# Altium PCB 2309_AutomatisationPriseImageRTI.PcbDoc (part 2 of 2)
Units mil, origin at the board's own origin, x right, y up, seen from the top; angles counter-clockwise.
Board outline 6062.99 x 3543.31 mil, 2 copper layers (Top Layer, Bottom Layer), stack 62.441 mil thick; 143 components, 115 nets, 461 pads, 570 vias.
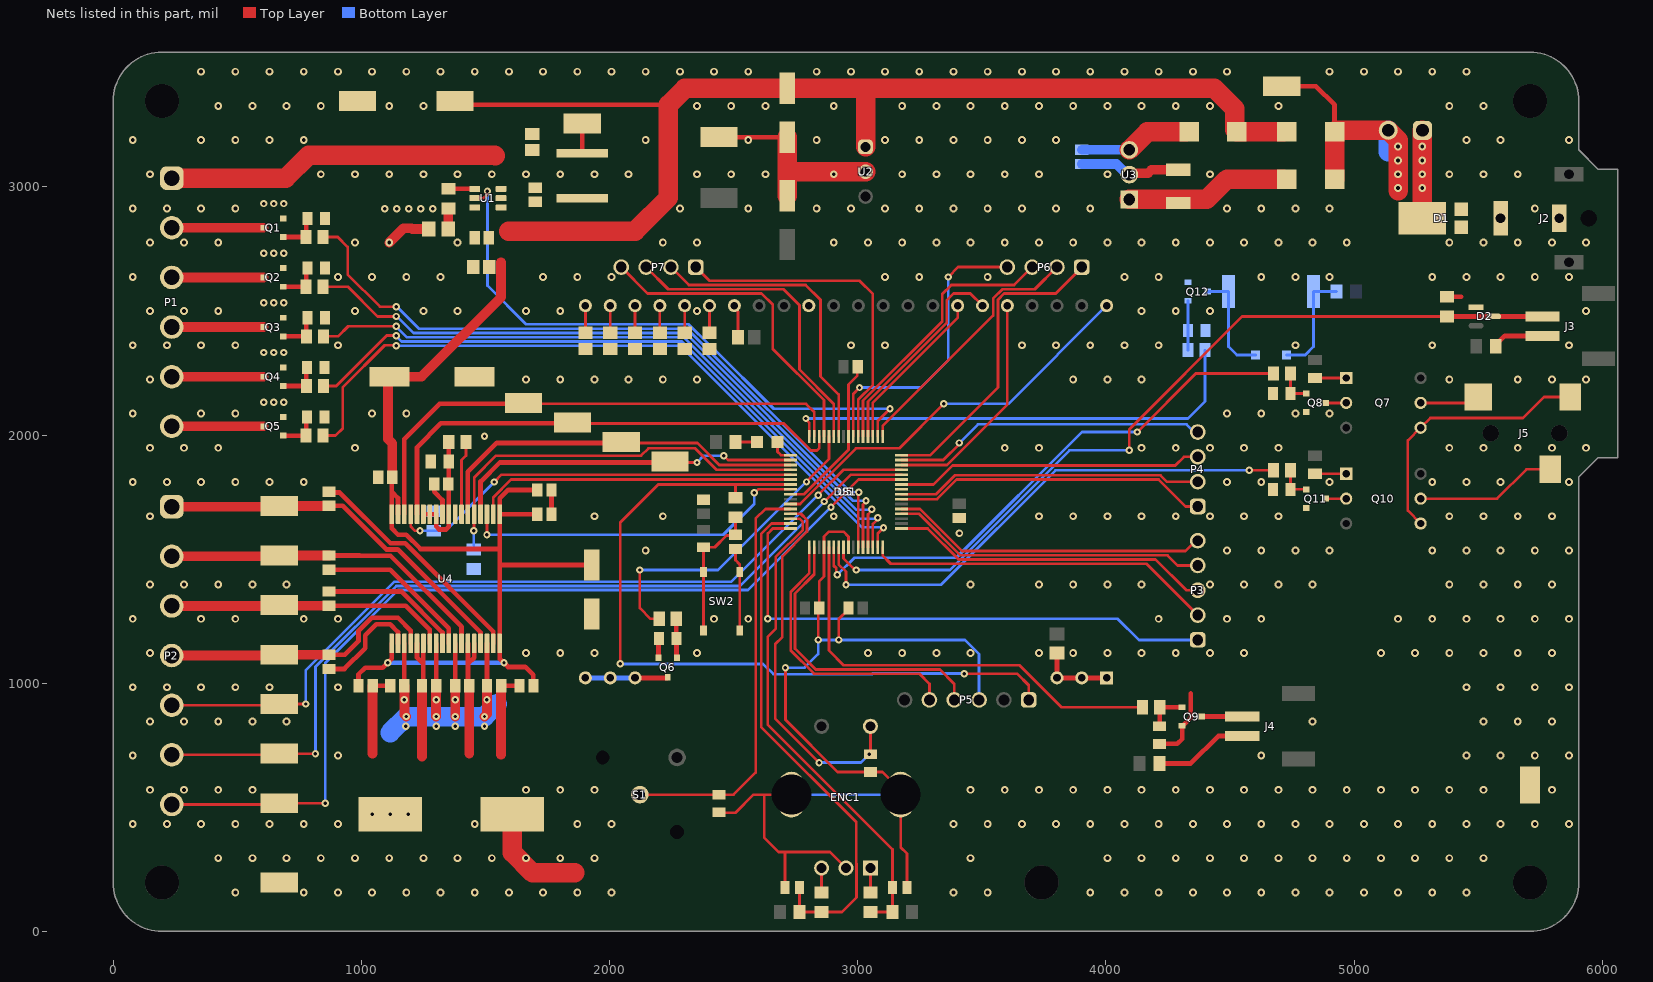
[diagram p2: the nets of this part, all layers, seen from the top]

## Via types
v1: diameter 31.5, hole 15.75, Top Layer to Bottom Layer, 470 vias
v2: diameter 29.53, hole 13.78, Top Layer to Bottom Layer, 100 vias

## Nets (pads, with @x,y where several pads share a name; then routed paths per layer and width w, separated by ;. In a path a pad name is that pad's centre, name@x,y a point inside that pad or via, vN(x,y) a via of type N, cw(c..) or ccw(c..) an arc to the next point about the centre after c; other vN are vias at no path point) (continued)
+12V: C1.1 C2.1 C5.2 C10.2 C11.1 C12.1 C13.1 C14.1 C24.1 C25.2 SB2.2 SB3.1 TP4.1 U1.4 U2.1 U4.1 U4.17 U4.18 U4.19 U4.36 | length 8996.6
  Top Layer w18.9: C14.1@988.19,990.16 988.19,1035.43 1015.75,1062.99 1086.61,1062.99 1122.05,1098.43 U4.19@1122.05,1160.63 ; C13.1@1124.56,1830.71 1122.05,1828.19 1122.05,1772.11 ; U4.17@1147.64,1681.1 1147.64,1746.52 1122.05,1772.11 ; TP4.1@1377.95,3346.46 1393.65,3330.76 2236.57,3330.76 2238.72,3332.91 ; v2(1574.8,1082.32) 1591.19,1065.9 1660.29,1065.9 1692.06,1034.13 1692.06,992.02 C11.1@1693.93,990.16 ; v2(1574.8,1082.32) 1573.07,1082.32 1557.09,1098.3 1557.09,1477.4 ; C24.1@1708.66,1681.1 U4.1@1557.09,1681.1 ; C12.1@1708.66,1779.15 1591.31,1779.15 1557.09,1744.93 U4.1@1557.09,1681.1 ; C25.2@1927.57,1476.32 1558.17,1476.32 1557.09,1477.4 ; 1122.05,1772.11 U4.18@1122.05,1681.1 1122.05,1624.02 1147.64,1598.43 1181.1,1598.43 1238.25,1541.28 1557.09,1541.28 ; 1557.09,1477.4 1557.09,1541.28 ; 1557.09,1541.28 U4.1@1557.09,1681.1
  Top Layer w39.37: C13.1@1124.56,1830.71 1124.56,1966.77 1107.09,1984.25 1107.09,2228.35 C10.2@1114.17,2235.43 1243.11,2235.43 1562.99,2555.32 1562.99,2696.85
  Top Layer w78.74: 1594.49,2822.05 2102.76,2822.05 2236.57,2955.87 2236.57,3330.76 ; 2238.72,3332.91 2303.45,3397.64 3031.5,3397.64 ; U2.1@3031.5,3161.42 3031.5,3397.64 ; SB2.2@4715.51,3222.05 SB3.1@4527.56,3222.05 4519.69,3229.92 4519.69,3314.96 4437.01,3397.64 3031.5,3397.64
  Bottom Layer w18.9: v2(1106.23,1082.32) v2(1574.8,1082.32)
+24V: C7.1 SB1.2 U3.1 | length 654.9
  Top Layer w78.74: U3.1@4094.49,2949.61 4406.3,2949.61 4488.19,3031.5 SB1.2@4715.51,3031.5
AGND: C18.2 R2.2 R3.2 U4.9 U4.11 U4.12 U4.13 | length 502.3
  Top Layer w18.9: U4.13@1250,1681.1 U4.12@1275.59,1681.1 U4.11@1301.18,1681.1 1301.18,1631.89 1312.99,1620.08 1341.29,1620.08 1352.36,1631.15 U4.9@1352.36,1681.1 R2.2@1352.36,1893.7 R3.2@1352.36,1972.44
CHANNEL_A: C33.1 R16.2 R18.1 U5.14 | length 1981.7
  Top Layer w11.02: U5.14@2729.38,1663.37 2766.12,1663.37 2778.97,1650.53 2778.97,1618.2 2669.29,1508.52 2669.29,1219.29 2637.8,1187.79 2637.8,832.78 3139.76,330.81 C33.1@3139.76,177.17 R16.2@3139.76,78.74 R18.1@3051.18,78.74
CHANNEL_B: C34.1 R17.2 R19.1 U5.15 | length 2110.4
  Top Layer w11.02: U5.15@2729.37,1643.7 2653.35,1643.7 2610.98,1601.33 2610.98,1232.79 2610.98,824.7 2993.96,441.72 2993.96,274.05 2994.72,273.29 2994.72,137.52 2935.94,78.74 R19.1@2854.33,78.74 R17.2@2765.75,78.74 C34.1@2765.75,177.17
FAULT: U4.3 U5.8 | length 1408.3
  Top Layer w11.02: v2(1505.91,1598.43) U4.3@1505.91,1681.1 ; v2(2582.95,1768.24) 2585.4,1768.24 2598.65,1781.5 U5.8@2729.37,1781.5
  Bottom Layer w11.02: v2(1505.91,1598.43) 2458.07,1598.43 2582.95,1723.3 v2(2582.95,1768.24)
FOCUS_CMD: R33.1 U5.23 | length 2076.1
  Top Layer w11.02: U5.23@2923.23,1548.26 2923.23,1479.3 2952.76,1449.78 v2(2952.76,1397.64) ; v2(4577.76,1858.27) R33.1@4675.2,1858.27
  Bottom Layer w11.02: v2(2952.76,1397.64) 3336.6,1397.64 3797.23,1858.27 v2(4577.76,1858.27)
GND: C1.2 C2.2 C4.2 C5.1 C6.1 C7.2 C8.2 C10.1 C11.2 C12.2 C13.2 C14.2 C19.2 C20.2 C21.2 C22.2 C23.2 C24.2 C25.1 C26.2 C27.2 C28.2 C29.2 C30.2 C31.2 C32.2 C33.2 C34.2 C35.2 C36.2 C37.2 C38.2 C39.2 C40.2 D2.1 DS1.29 DS1.32 ENC1.3 ENC1.4 ENC1.C J2.2 P5.3 Q6.2 Q8.2 Q9.2 Q11.2 Q12.2 R1.1 R2.1 R4.1 R5.1 R9.1 R10.1 R11.1 R14.1 R15.1 R20.1 R23.1 R24.1 R29.1 R31.1 R34.1 R36.1 R41.2 SW2.1 SW2.2 TP2.1 TP6.1 TP7.1 TP8.1 U1.3 U2.2 U3.2 U4.8 U4.23 U4.24 U4.31 U4.32 U5.9 U5.20 U5.25 U5.41 U5.56 | length 9819.6
  Top Layer w11.02: R23.1@2440.94,480.32 2442.74,478.52 2508.05,478.52 2580.71,551.18 2623.7,551.18 ; DS1.29@2502.76,2512.52 2517.65,2497.62 C32.2@2517.65,2394.6 ; C35.2@2507.87,1541.28 2507.87,1496.06 2524.61,1479.33 SW2.1@2524.61,1448.82 SW2.2@2524.61,1212.6 ; C34.2@2706.69,177.17 2706.69,320.05 ; v2(2708.66,1062.99) 2708.66,853.1 2918.96,642.8 R20.1@3051.18,642.8 3099.39,642.8 3173.23,568.97 ENC1.3@3173.23,551.18 3173.23,339.14 3198.82,313.55 C33.2@3198.82,177.17 ; U5.9@2729.37,1761.81 2783.35,1761.81 2962.6,1941.06 U5.56@2962.6,1995.04 2962.6,2203.62 2997.8,2238.82 2997.8,2273.33 C40.2@3000.06,2275.59 ; ENC1.4@2732.28,551.18 2623.7,551.18 ; v2(2840.66,1174.8) 2840.66,1299.32 C36.2@2844.49,1303.15 2844.49,1411.04 2864.17,1430.73 U5.20@2864.17,1548.26 2864.17,1591.49 2883.86,1611.17 2942.1,1611.17 2962.59,1590.68 U5.25@2962.6,1548.26 ; v2(2923.62,1174.8) 2923.62,1258.3 2962.54,1297.21 C38.2@2962.54,1303.15 ; ENC1.C@2952.76,255.91 2888.61,320.05 2706.69,320.05 ; 2623.7,551.18 2623.7,377.27 2680.91,320.05 2706.69,320.05
  Top Layer w18.9: C14.2@1045.34,990.16 C23.2@1116.08,990.16 ; U4.23@1224.41,1160.63 1224.41,1103.18 1249.61,1077.98 ; C22.2@1244.03,990.16 1249.61,995.73 1249.61,1077.98 ; U4.24@1250,1160.63 1249.61,1160.24 1249.61,1077.98 ; U4.31@1429.13,1160.63 1429.53,1160.24 1429.53,1077.98 ; C21.2@1435.1,990.16 1429.53,995.73 1429.53,1077.98 ; U4.32@1454.72,1160.63 1454.72,1103.18 1429.53,1077.98 ; C20.2@1563.05,990.16 C11.2@1636.78,990.16 ; C24.2@1765.81,1681.1 C12.2@1765.81,1779.15 ; Q6.2@2197.24,1103.18 2197.24,1179.13 R24.1@2199.21,1181.1 ; TP8.1@2440.94,3200.79 C5.1@2716.54,3200.79 ; DS1.29@2502.76,2512.52 DS1.29@2502.76,2521.65 ; 2695.28,3061.42 2716.54,3082.68 ; R34.1@4216.54,755.91 4287.4,755.91 4307.09,775.59 Q9.2@4307.09,828.74 4309.06,828.74 4342.52,862.2 4342.52,958.66 ; R41.2@5374.02,2557.09 5431.36,2557.09 ; D2.1@5472.7,2515.75 D2.1@5491.32,2515.75
  Top Layer w39.37: 1045.34,716.54 C14.2@1045.34,990.16 ; v1(1112.21,2775.59) 1170.11,2833.5 1202.72,2833.5 1205.51,2830.71 R1.1@1271.65,2830.71 ; 1244.03,704.91 C22.2@1244.03,990.16 ; 1435.1,716.54 C21.2@1435.1,990.16 ; 1563.05,711.81 C20.2@1563.05,990.16 ; U3.2@4094.49,3049.61 4100.51,3055.63 4169.8,3055.63 4183.07,3068.9 C7.2@4291.34,3068.9
  Top Layer w78.74: C19.2@1608.21,472.44 1608.21,317.84 1689.82,236.22 1860.24,236.22 ; C6.1@2716.54,2964.57 2716.54,3082.68 ; C5.1@2716.54,3200.79 2716.54,3082.68 ; U2.2@3031.5,3061.42 2737.8,3061.42 2716.54,3082.68
  Bottom Layer w11.02: v2(2708.66,1062.99) 2786.33,1062.99 2840.66,1117.32 v2(2840.66,1174.8) v2(2923.62,1174.8) 3431.5,1174.8 3488.98,1117.32 P5.3@3488.98,933.07 ; ENC1.4@2732.28,551.18 ENC1.3@3173.23,551.18
  Bottom Layer w39.37: C8.2@3902.76,3092.46 4043.11,3092.46 4085.97,3049.61 U3.2@4094.49,3049.61
  other v1: 492.13,157.48 767.72,157.48 905.51,157.48 1043.31,157.48 1181.1,157.48 1318.9,157.48 1456.69,157.48 1594.49,157.48 1732.29,157.48 1870.08,157.48 2007.88,157.48 3385.83,157.48 3523.62,157.48 3937.01,157.48 4074.81,157.48 4212.6,157.48 4350.4,157.48 4488.19,157.48 4625.99,157.48 4763.78,157.48 4901.58,157.48 5039.37,157.48 5177.17,157.48 5314.96,157.48 5452.76,157.48 423.23,295.28 561.03,295.28 698.82,295.28 836.62,295.28 974.41,295.28 1112.21,295.28 1250,295.28 1387.8,295.28 1525.59,295.28 1663.39,295.28 1801.18,295.28 1938.98,295.28 3454.73,295.28 4005.91,295.28 4143.7,295.28 4281.5,295.28 4419.29,295.28 4557.09,295.28 4694.88,295.28 4832.68,295.28 4970.47,295.28 5108.27,295.28 5246.07,295.28 5383.86,295.28 5521.66,295.28 78.74,433.07 216.54,433.07 354.33,433.07 492.13,433.07 629.92,433.07 767.72,433.07 905.51,433.07 1456.69,433.07 1870.08,433.07 2007.88,433.07 3385.83,433.07 3523.62,433.07 3661.42,433.07 3799.22,433.07 3937.01,433.07 4074.81,433.07 4212.6,433.07 4350.4,433.07 4488.19,433.07 4625.99,433.07 4763.78,433.07 4901.58,433.07 5039.37,433.07 5177.17,433.07 5314.96,433.07 5452.76,433.07 5590.55,433.07 5728.35,433.07 5866.14,433.07 147.64,570.87 285.43,570.87 423.23,570.87 561.03,570.87 1663.39,570.87 1801.18,570.87 1938.98,570.87 3454.73,570.87 3592.52,570.87 3730.32,570.87 3868.11,570.87 4005.91,570.87 4143.7,570.87 4281.5,570.87 4419.29,570.87 4557.09,570.87 4694.88,570.87 4832.68,570.87 4970.47,570.87 5108.27,570.87 5246.07,570.87 5383.86,570.87 5521.66,570.87 5797.25,570.87 78.74,708.66 905.51,708.66 4625.99,708.66 5452.76,708.66 5590.55,708.66 5728.35,708.66 5866.14,708.66 147.64,846.46 285.43,846.46 423.23,846.46 561.03,846.46 698.82,846.46 4832.68,846.46 5521.66,846.46 5659.45,846.46 5797.25,846.46 78.74,984.25 216.54,984.25 354.33,984.25 492.13,984.25 629.92,984.25 905.51,984.25 5452.76,984.25 5590.55,984.25 5728.35,984.25 5866.14,984.25 147.64,1122.05 1663.39,1122.05 1801.18,1122.05 1938.98,1122.05 2352.36,1122.05 3041.34,1122.05 3179.14,1122.05 3316.93,1122.05 3454.73,1122.05 3730.32,1122.05 3868.11,1122.05 4005.91,1122.05 4143.7,1122.05 4281.5,1122.05 4419.29,1122.05 4557.09,1122.05 5108.27,1122.05 5246.07,1122.05 5383.86,1122.05 5521.66,1122.05 5659.45,1122.05 5797.25,1122.05 78.74,1259.84 354.33,1259.84 492.13,1259.84 767.72,1259.84 905.51,1259.84 2421.26,1259.84 2559.06,1259.84 4212.6,1259.84 4488.19,1259.84 4625.99,1259.84 5177.17,1259.84 5314.96,1259.84 5452.76,1259.84 5590.55,1259.84 5728.35,1259.84 5866.14,1259.84 147.64,1397.64 285.43,1397.64 423.23,1397.64 561.03,1397.64 698.82,1397.64 3454.73,1397.64 3730.32,1397.64 3868.11,1397.64 4005.91,1397.64 4143.7,1397.64 4419.29,1397.64 4557.09,1397.64 4694.88,1397.64 4832.68,1397.64 5383.86,1397.64 5521.66,1397.64 5659.45,1397.64 5797.25,1397.64 2145.67,1535.44 4488.19,1535.44 4625.99,1535.44 4763.78,1535.44 4901.58,1535.44 5314.96,1535.44 5452.76,1535.44 5590.55,1535.44 5728.35,1535.44 5866.14,1535.44 3409.45,1604.76 147.64,1673.23 1938.98,1673.23 2214.57,1673.23 2903.55,1673.23 3730.32,1673.23 3868.11,1673.23 4005.91,1673.23 4143.7,1673.23 4281.5,1673.23 4419.29,1673.23 4557.09,1673.23 4694.88,1673.23 5383.86,1673.23 5521.66,1673.23 5659.45,1673.23 5797.25,1673.23 78.74,1811.03 216.54,1811.03 354.33,1811.03 492.13,1811.03 629.92,1811.03 767.72,1811.03 4488.19,1811.03 4625.99,1811.03 4901.58,1811.03 5314.96,1811.03 5452.76,1811.03 5590.55,1811.03 5866.14,1811.03 147.64,1948.82 285.43,1948.82 423.23,1948.82 974.41,1948.82 3592.52,1948.82 3730.32,1948.82 4143.7,1948.82 4281.5,1948.82 4419.29,1948.82 4557.09,1948.82 4694.88,1948.82 5383.86,1948.82 5521.66,1948.82 5659.45,1948.82 5797.25,1948.82 5935.04,1948.82 78.74,2086.62 354.33,2086.62 492.13,2086.62 1043.31,2086.62 1181.1,2086.62 4488.19,2086.62 4625.99,2086.62 4763.78,2086.62 4901.58,2086.62 147.64,2224.41 1663.39,2224.41 1801.18,2224.41 1938.98,2224.41 2076.77,2224.41 2214.57,2224.41 2352.36,2224.41 3868.11,2224.41 4005.91,2224.41 4143.7,2224.41 5383.86,2224.41 5659.45,2224.41 5797.25,2224.41 5935.04,2224.41 78.74,2362.21 216.54,2362.21 354.33,2362.21 492.13,2362.21 905.51,2362.21 2972.44,2362.21 3110.24,2362.21 3661.42,2362.21 3799.22,2362.21 3937.01,2362.21 4074.81,2362.21 4212.6,2362.21 4763.78,2362.21 5314.96,2362.21 5866.14,2362.21 147.64,2500 285.43,2500 423.23,2500 974.41,2500 1250,2500 1387.8,2500 1663.39,2500 1801.18,2500 2352.36,2500 4143.7,2500 4281.5,2500 4419.29,2500 5935.04,2500 78.74,2637.8 905.51,2637.8 1043.31,2637.8 1181.1,2637.8 1318.9,2637.8 1732.29,2637.8 1870.08,2637.8 2007.88,2637.8 3110.24,2637.8 3248.03,2637.8 3523.62,2637.8 4074.81,2637.8 4212.6,2637.8 4625.99,2637.8 4763.78,2637.8 4901.58,2637.8 5314.96,2637.8 5452.76,2637.8 5590.55,2637.8 5728.35,2637.8 5866.14,2637.8 147.64,2775.59 285.43,2775.59 423.23,2775.59 974.41,2775.59 1387.8,2775.59 2214.57,2775.59 2352.36,2775.59 2903.55,2775.59 3041.34,2775.59 3179.14,2775.59 3316.93,2775.59 3454.73,2775.59 3592.52,2775.59 3730.32,2775.59 3868.11,2775.59 4005.91,2775.59 4143.7,2775.59 4281.5,2775.59 4419.29,2775.59 4557.09,2775.59 4694.88,2775.59 4832.68,2775.59 4970.47,2775.59 5383.86,2775.59 5521.66,2775.59 5659.45,2775.59 5797.25,2775.59 5935.04,2775.59 78.74,2913.39 216.54,2913.39 354.33,2913.39 492.13,2913.39 2283.47,2913.39 2559.06,2913.39 2834.65,2913.39 2972.44,2913.39 3110.24,2913.39 3248.03,2913.39 3385.83,2913.39 3523.62,2913.39 3661.42,2913.39 3799.22,2913.39 3937.01,2913.39 4488.19,2913.39 4625.99,2913.39 4763.78,2913.39 4901.58,2913.39 5728.35,2913.39 147.64,3051.18 836.62,3051.18 974.41,3051.18 1112.21,3051.18 1250,3051.18 1387.8,3051.18 1525.59,3051.18 1663.39,3051.18 1801.18,3051.18 1938.98,3051.18 2076.77,3051.18 2352.36,3051.18 2490.16,3051.18 2627.95,3051.18 2903.55,3051.18 3179.14,3051.18 3316.93,3051.18 3454.73,3051.18 3592.52,3051.18 3730.32,3051.18 4005.91,3051.18 4419.29,3051.18 5383.86,3051.18 5521.66,3051.18 5659.45,3051.18 78.74,3188.98 354.33,3188.98 492.13,3188.98 629.92,3188.98 767.72,3188.98 2145.67,3188.98 2559.06,3188.98 2834.65,3188.98 3110.24,3188.98 3248.03,3188.98 3385.83,3188.98 3523.62,3188.98 3661.42,3188.98 3799.22,3188.98 5452.76,3188.98 5590.55,3188.98 5866.14,3188.98 423.23,3326.77 561.03,3326.77 698.82,3326.77 836.62,3326.77 1112.21,3326.77 1250,3326.77 2352.36,3326.77 2490.16,3326.77 2627.95,3326.77 2903.55,3326.77 3179.14,3326.77 3316.93,3326.77 3454.73,3326.77 3592.52,3326.77 3730.32,3326.77 3868.11,3326.77 4005.91,3326.77 4143.7,3326.77 4281.5,3326.77 4419.29,3326.77 4694.88,3326.77 5383.86,3326.77 5521.66,3326.77 354.33,3464.57 492.13,3464.57 629.92,3464.57 767.72,3464.57 905.51,3464.57 1043.31,3464.57 1181.1,3464.57 1318.9,3464.57 1456.69,3464.57 1594.49,3464.57 1732.29,3464.57 1870.08,3464.57 2007.88,3464.57 2145.67,3464.57 2283.47,3464.57 2421.26,3464.57 2559.06,3464.57 2834.65,3464.57 2972.44,3464.57 3110.24,3464.57 3248.03,3464.57 3385.83,3464.57 3523.62,3464.57 3661.42,3464.57 3799.22,3464.57 3937.01,3464.57 4074.81,3464.57 4212.6,3464.57 4350.4,3464.57 4488.19,3464.57 4901.58,3464.57 5039.37,3464.57 5177.17,3464.57 5314.96,3464.57 5452.76,3464.57
  other v2: 1496.06,1995.35
INDEX: D2.3 J3.2 R41.1 U5.24 | length 3324.7
  Top Layer w11.02: U5.24@2942.91,1548.26 2942.91,1503.04 2980.66,1465.29 2989.27,1456.69 v2(2993.46,1456.69) ; v2(4094.49,1938.82) 4094.49,2023.62 4549.21,2478.35 R41.1@5374.02,2478.35
  Top Layer w18.9: R41.1@5374.02,2478.35 D2.3@5562.99,2478.35 J3.2@5730.31,2478.35
  Bottom Layer w11.02: v2(2993.46,1456.69) 3371.66,1456.69 3853.79,1938.82 v2(4094.49,1938.82)
LED1-: P1.2 Q1.3 | length 370.1
  Top Layer w39.37: P1.2@236.22,2835.43 Q1.3@606.3,2835.43
LED1_CMD: R6.1 U5.27 | length 2871.3
  Top Layer w11.02: R6.1@845.47,2798.03 904.72,2798.03 944.88,2757.87 944.88,2648.03 1075.22,2517.69 v2@1142.61,2517.69 ; U5.27@3001.97,1548.26 3001.98,1768.24 v2(3003.91,1770.17)
  Bottom Layer w11.02: v2@1142.61,2517.69 1231.76,2428.53 2312.64,2428.53 2971,1770.17 v2(3003.91,1770.17)
  other v2: 1140.14,2517.69
LED2-: P1.3 Q2.3 | length 370.1
  Top Layer w39.37: P1.3@236.22,2635.43 Q2.3@606.3,2635.43
LED2_CMD: R7.1 U5.28 | length 2736.9
  Top Layer w11.02: R7.1@845.47,2598.03 945.28,2598.03 1065.06,2478.25 v2@1143.09,2478.25 ; U5.28@3021.65,1548.26 3021.65,1719.65 3033.2,1731.19 v2(3033.2,1735.36)
  Bottom Layer w11.02: v2@1143.09,2478.25 1209.78,2411.56 2305.61,2411.56 2981.81,1735.36 v2(3033.2,1735.36)
  other v2: 1140.14,2478.25
LED3-: P1.4 Q3.3 | length 370.1
  Top Layer w39.37: P1.4@236.22,2435.43 Q3.3@606.3,2435.43
LED3_CMD: R8.1 U5.29 | length 2693.5
  Top Layer w11.02: R8.1@847.44,2398.03 906.36,2398.03 947.13,2438.81 v2@1141.63,2438.81 ; U5.29@3041.34,1548.26 3041.34,1681.01 3056.13,1695.81 v2(3056.13,1700.82)
  Bottom Layer w11.02: v2@1141.63,2438.81 1141.63,2435.53 1182.57,2394.6 2298.58,2394.6 2994.28,1698.9 3054.21,1698.9 v2(3056.13,1700.82)
  other v2: 1140.14,2438.81
LED4-: P1.5 Q4.3 | length 370.1
  Top Layer w39.37: P1.5@236.22,2235.43 Q4.3@606.3,2235.43
LED4_CMD: R12.1 U5.30 | length 2752.1
  Top Layer w11.02: R12.1@847.44,2198.03 898.82,2198.03 1102.36,2401.57 1138.51,2401.57 v2(1140.14,2399.94) ; U5.30@3061.02,1548.26 3061.02,1642.66 3081.22,1662.86 v2(3081.22,1666.73)
  Bottom Layer w11.02: v2(1140.14,2399.94) 1162.46,2377.63 2291.55,2377.63 3005.8,1663.37 3077.86,1663.37 v2(3081.22,1666.73)
LED5-: P1.6 Q5.3 | length 370.1
  Top Layer w39.37: P1.6@236.22,2035.43 Q5.3@606.3,2035.43
LED5_CMD: R13.1 U5.31 | length 2899
  Top Layer w11.02: R13.1@845.47,1998.03 895.67,1998.03 925.2,2027.56 925.2,2193.11 1094.29,2362.2 1138.64,2362.2 v2(1140.14,2360.66) ; U5.31@3080.71,1548.26 3080.71,1603.65 v2(3103.9,1626.84)
  Bottom Layer w11.02: v2(1140.14,2360.66) 2284.52,2360.66 3016.6,1628.58 3102.16,1628.58 v2(3103.9,1626.84)
LED+: C4.1 L1.2 P1.1 TP3.1 | length 1461.9
  Top Layer w18.9: L1.2@1889.76,3135.91 TP3.1@1889.76,3255.87
  Top Layer w78.74: P1.1@236.22,3035.43 695.32,3035.43 787.4,3127.52 1537.88,3127.52 1539.37,3126.03
LED-: Q1.2 Q2.2 Q3.2 Q4.2 Q5.2 R1.2 R42.2 | length 97.7
  Top Layer w18.9: Q4.2@683.07,2272.83 Q4.2@685.04,2272.83 ; Q1.2@685.04,2872.83 Q1.2@687.01,2872.83 ; R42.2@1342.61,2921.26 R42.2@1350.39,2913.47
  Top Layer w39.37: R1.2@1350.39,2830.71 R42.2@1350.39,2913.47
  other v2: 607.03,2133.09 647.38,2133.09 687.74,2133.09 607.03,2333.09 647.38,2333.09 687.74,2333.09 607.03,2533.09 647.38,2533.09 687.74,2533.09 607.03,2733.09 647.38,2733.09 687.74,2733.09 1094.29,2912.08 1142.57,2912.08 1190.85,2912.08 1239.12,2912.08 1287.4,2912.08 607.03,2933.09 647.38,2933.09 687.74,2933.09
LED_IR_CMD: R30.1 U5.21 | length 1774.8
  Top Layer w11.02: U5.21@2883.86,1548.26 2883.86,1131.76 2942.79,1072.83 3651.57,1072.83 3820.87,903.54 R30.1@4147.64,903.54
MCLR: P5.1 R39.2 U5.7 | length 3115.4
  Top Layer w11.02: v2(2043.12,1078.2) 2043.12,1647.94 2196.36,1801.18 2508,1801.18 ; R39.2@2507.87,1748.03 2507.87,1801.06 2508,1801.18 ; U5.7@2729.37,1801.18 2508,1801.18 ; v2(3429.13,1038.9) 3642.2,1038.9 3688.98,992.13 P5.1@3688.98,933.07
  Bottom Layer w11.02: v2(2043.12,1078.2) 2618.65,1078.2 2660.08,1036.77 3057.89,1036.77 3060.49,1039.37 3428.66,1039.37 v2(3429.13,1038.9)
NC0: P3.1 U5.16 | length 2211.6
  Top Layer w11.02: v2(2637.8,1259.84) 2637.8,1604.14 2657.67,1624.02 U5.16@2729.37,1624.02
  Bottom Layer w11.02: v2(2637.8,1259.84) 4047.89,1259.84 4132.93,1174.8 P3.1@4370.08,1174.8
NC1: P3.2 U5.32 | length 1402.8
  Top Layer w11.02: U5.32@3100.39,1548.26 3100.39,1514.41 3133.18,1481.63 4163.26,1481.63 P3.2@4370.08,1274.8
NC2: P3.3 U5.33 | length 1297.2
  Top Layer w11.02: U5.33@3176.15,1624.02 3281.67,1624.02 3407.09,1498.6 4200.22,1498.6 4324.02,1374.8 P3.3@4370.08,1374.8
NC3: P3.4 U5.36 | length 1280.2
  Top Layer w11.02: U5.36@3176.15,1683.07 3246.61,1683.07 3414.12,1515.56 4247.8,1515.56 4288.56,1474.8 P3.4@4370.08,1474.8
NC4: P3.5 U5.37 | length 1281.7
  Top Layer w11.02: U5.37@3176.15,1702.76 3250.92,1702.76 3420.78,1532.9 4320.89,1532.9 4362.8,1574.8 P3.5@4370.08,1574.8
NC5: P4.1 U5.39 | length 1271.4
  Top Layer w11.02: U5.39@3176.15,1742.13 3319.31,1742.13 3398.05,1820.87 4212.6,1820.87 4320.87,1712.6 P4.1@4370.08,1712.6
NC6: P4.2 U5.40 | length 1235.9
  Top Layer w11.02: U5.40@3176.15,1761.81 3315,1761.81 3391.02,1837.83 4219.63,1837.83 4244.86,1812.6 P4.2@4370.08,1812.6
NC7: P4.3 U5.42 | length 1240.1
  Top Layer w11.02: U5.42@3176.15,1801.18 3305.08,1801.18 3381.61,1877.71 4279.28,1877.71 4314.17,1912.6 P4.3@4370.08,1912.6
NC8: P4.4 U5.47 | length 1268.5
  Top Layer w11.02: U5.47@3176.15,1899.61 3344.49,1899.61 3409.45,1964.57 v2(3409.45,1968.5)
  Bottom Layer w11.02: v2(3409.45,1968.5) 3484.25,2043.31 4325.31,2043.31 4356.02,2012.6 P4.4@4370.08,2012.6
NC9: P6.1 U5.48 | length 1248.7
  Top Layer w11.02: U5.48@3176.15,1919.29 3292.52,1919.29 3564.9,2191.67 3564.9,2545.61 3590.16,2570.87 3797.97,2570.87 3902.76,2675.65 P6.1@3902.76,2677.17
NC10: P6.2 U5.49 | length 1049.4
  Top Layer w11.02: U5.49@3100.39,1995.04 3100.39,2036.16 3545.66,2481.42 3545.66,2550.36 3583.13,2587.83 3713.43,2587.83 P6.2@3802.76,2677.17
NC11: P6.3 U5.53 | length 1112.6
  Top Layer w11.02: U5.53@3021.65,1995.04 3021.65,2139.45 3340.53,2458.33 3340.53,2568.15 3377.18,2604.8 3630.39,2604.8 P6.3@3702.76,2677.17
NC12: P6.4 U5.55 | length 1200.4
  Top Layer w11.02: U5.55@2982.28,1995.04 2982.28,2166.83 v2(3007.13,2191.67) ; v2(3364.98,2637.17) 3364.98,2637.8 3404.35,2677.17 P6.4@3602.76,2677.17
  Bottom Layer w11.02: v2(3007.13,2191.67) 3254.66,2191.67 3364.98,2301.99 v2(3364.98,2637.17)
NC13: P7.1 U5.54 | length 1356.5
  Top Layer w11.02: P7.1@2347.24,2677.17 2402.36,2622.05 3007.13,2622.05 3061.02,2568.15 3061.02,2202.82 3001.97,2143.76 U5.54@3001.97,1995.04
NC14: P7.2 U5.58 | length 1237.8
  Top Layer w11.02: P7.2@2247.24,2677.17 2319.61,2604.8 2790.29,2604.8 2849.63,2545.46 2849.63,2237.04 2923.23,2163.45 U5.58@2923.23,1995.04
NC15: P7.3 U5.59 | length 1267
  Top Layer w11.02: P7.3@2147.24,2677.17 2236.57,2587.83 2700.32,2587.83 2764.98,2523.18 2764.98,2264.55 2903.54,2125.98 U5.59@2903.54,1995.04
NC16: P7.4 U5.61 | length 1289.3
  Top Layer w11.02: P7.4@2047.24,2677.17 2153.54,2570.87 2612.37,2570.87 2657.67,2525.57 2657.67,2347.86 2864.17,2141.36 U5.61@2864.17,1995.04
NetC3_1: C3.1 U1.6
NetC3_2: C3.2 L1.1 U1.5
NetC8_1: C8.1 SB3.2 U3.3 | length 449.1
  Top Layer w78.74: U3.3@4094.49,3149.61 4166.93,3222.05 SB3.2@4321.81,3222.05
  Bottom Layer w39.37: C8.1@3902.76,3149.61 U3.3@4094.49,3149.61
NetC9_1: C9.1 P2.1 TP9.1 U4.33 | length 1500.8
  Top Layer w18.9: C9.1@869.09,1714.96 924.8,1714.96 1100.39,1539.37 1145.67,1539.37 1480.31,1204.72 U4.33@1480.31,1160.63
  Top Layer w39.37: P2.1@236.22,1711.81 666.14,1711.81 TP9.1@669.29,1714.96 C9.1@869.09,1714.96
NetC9_2: C9.2 U4.35 | length 934
  Top Layer w18.9: C9.2@878.94,1772.11 882.52,1768.52 913.07,1768.52 1117.38,1564.21 1175.94,1564.21 1531.5,1208.66 U4.35@1531.5,1160.63
NetC15_1: C15.1 P2.2 TP11.1 U4.30 | length 1355.1
  Top Layer w18.9: C15.1@869.09,1514.96 992.59,1514.96 993.03,1514.53 1117.41,1514.53 1403.54,1228.39 U4.30@1403.54,1160.63
  Top Layer w39.37: P2.2@236.22,1511.81 666.14,1511.81 TP11.1@669.29,1514.96 C15.1@869.09,1514.96
NetC15_2: C15.2 U4.28 | length 642.2
  Top Layer w18.9: C15.2@869.09,1457.81 1116.34,1457.81 1352.36,1221.79 U4.28@1352.36,1160.63
NetC16_1: C16.1 P2.3 TP10.1 U4.25 | length 1137.3
  Top Layer w18.9: TP10.1@669.29,1314.96 TP10.1@671.32,1312.93 ; C16.1@869.09,1312.93 1179.19,1312.93 1275.59,1216.54 U4.25@1275.59,1160.63
  Top Layer w39.37: P2.3@236.22,1311.81 666.14,1311.81 TP10.1@669.29,1314.96 ; TP10.1@671.32,1312.93 C16.1@869.09,1312.93
NetC16_2: C16.2 U4.27 | length 560.4
  Top Layer w18.9: C16.2@878.94,1370.08 1161.41,1370.08 1326.77,1204.72 U4.27@1326.77,1160.63
NetC17_1: C17.1 P2.4 TP12.1 U4.22 | length 1122.9
  Top Layer w18.9: C17.1@869.09,1114.96 933.86,1114.96 988.19,1169.29 988.19,1210.63 1041.34,1263.78 1147.64,1263.78 1198.82,1212.6 U4.22@1198.82,1160.63
  Top Layer w39.37: P2.4@236.22,1111.81 666.14,1111.81 TP12.1@669.29,1114.96 C17.1@869.09,1114.96
NetC17_2: C17.2 U4.20 | length 443
  Top Layer w18.9: C17.2@869.09,1057.81 931.83,1057.81 1015.75,1141.73 1015.75,1194.13 1059.8,1238.19 1116.08,1238.19 1147.64,1206.63 U4.20@1147.64,1160.63
NetC18_1: C18.1 U4.10 | length 146.7
  Top Layer w18.9: C18.1@1300.87,1795.52 C18.1@1293.25,1803.15 1293.25,1772.11 1326.77,1738.58 U4.10@1326.77,1681.1
NetC26_1: C26.1 DS1.28 | length 109.2
  Top Layer w11.02: C26.1@2402.76,2412.48 DS1.28@2402.76,2521.65
NetC27_1: C27.1 DS1.27 | length 109.2
  Top Layer w11.02: C27.1@2302.76,2412.48 DS1.27@2302.76,2521.65
NetC28_1: C28.1 DS1.26 | length 109.2
  Top Layer w11.02: C28.1@2202.76,2412.48 DS1.26@2202.76,2521.65
NetC29_1: C29.1 DS1.25 | length 109.2
  Top Layer w11.02: C29.1@2102.76,2412.48 DS1.25@2102.76,2521.65
NetC30_1: C30.1 DS1.24 | length 109.2
  Top Layer w11.02: C30.1@2002.76,2412.48 DS1.24@2002.76,2521.65
NetC31_1: C31.1 DS1.23 | length 109.2
  Top Layer w11.02: C31.1@1902.76,2412.48 DS1.23@1902.76,2521.65
NetC35_1: C35.1 R37.1 R39.1 SW2.3 SW2.4 | length 556.3
  Top Layer w11.02: SW2.4@2378.94,1212.6 SW2.3@2378.94,1448.82 R37.1@2378.94,1548.28 2423.77,1548.28 2471.1,1595.6 2505.05,1595.6 C35.1@2507.87,1598.43 R39.1@2507.87,1669.29
NetD1_1: D1.1 D1.3 J2.1
NetD1_2: D1.2 J1.1 | length 354.3
  Top Layer w78.74: D1.2@5275.59,2874.02 J1.1@5275.59,3228.35
  other v1: 5274.55,2995.31 5274.55,3051.21 5274.55,3107.1 5274.55,3163
NetD3_1: D3.1 R25.1 | length 86.3
  Top Layer w11.02: R25.1@2507.87,1972.44 D3.1@2594.13,1972.44
NetD4_1: D4.1 LS1.1 R38.1 | length 437.7
  Bottom Layer w11.02: D4.1@4727.36,2322.83 4803.15,2322.83 4836.61,2356.3 LS1.1@4836.61,2578.74 R38.1@4928.74,2578.74
NetD4_2: D4.2 LS1.2 Q12.3 | length 430.2
  Bottom Layer w11.02: Q12.3@4409.45,2578.74 LS1.2@4494.09,2578.74 4494.09,2356.3 4527.56,2322.83 D4.2@4603.35,2322.83
NetDS1_1: DS1.1 DS1.2 DS1.3 R21.2 | length 300.4
  Top Layer w18.9: R21.2@3802.76,1122.05 DS1.3@3802.76,1021.65 DS1.2@3902.76,1021.65 DS1.1@4002.76,1021.65
NetDS1_20: DS1.20 DS1.21 DS1.22 Q6.3 | length 333.3
  Top Layer w18.9: DS1.20@2102.76,1021.65 2232.28,1021.65 2234.65,1024.02 Q6.3@2234.65,1024.44
  Bottom Layer w18.9: DS1.22@1902.76,1021.65 DS1.21@2002.76,1021.65 DS1.20@2102.76,1021.65
NetENC1_A: ENC1.A R18.2 | length 98.4
  Top Layer w11.02: R18.2@3051.18,157.48 ENC1.A@3051.18,255.91
NetENC1_B: ENC1.B R19.2 | length 98.4
  Top Layer w11.02: R19.2@2854.33,157.48 ENC1.B@2854.33,255.91
NetJ3_1: J3.1 R40.2 | length 179.5
  Top Layer w18.9: R40.2@5570.87,2358.27 5570.87,2363.19 5607.28,2399.61 J3.1@5730.31,2399.61
NetJ4_1: J4.1 R26.1 | length 378.3
  Top Layer w18.9: R26.1@4216.54,677.17 4342.52,677.17 4452.76,787.4 J4.1@4549.21,787.4
NetJ4_2: J4.2 Q9.3 | length 163.4
  Top Layer w18.9: Q9.3@4385.83,866.14 J4.2@4549.21,866.14
NetJ5_1: J5.1 Q7.4 Q10.4 | length 1081.7
  Top Layer w11.02: Q10.4@5268.11,1644.09 5216.54,1695.67 5216.54,1978.35 Q7.4@5268.11,2029.92 5307.41,2069.23 5680.54,2069.23 5764.85,2153.54 J5.1@5870.08,2153.54
NetJ5_2: J5.2 Q7.5 | length 192.5
  Top Layer w11.02: Q7.5@5268.11,2129.92 J5.2@5460.63,2129.92
NetJ5_3: J5.3 Q10.5 | length 572.2
  Top Layer w11.02: Q10.5@5268.11,1744.09 5576.33,1744.09 5694.44,1862.2 J5.3@5791.34,1862.2
NetQ1_1: Q1.1 R6.2 R9.2 | length 167.2
  Top Layer w18.9: Q1.1@685.04,2798.03 R6.2@776.57,2798.03 777.56,2799.02 777.56,2871.85 R9.2@778.54,2872.83
NetQ2_1: Q2.1 R7.2 R10.2 | length 167.2
  Top Layer w7.87: R7.2@776.57,2598.03 R7.2@778.54,2600
  Top Layer w18.9: Q2.1@685.04,2598.03 R7.2@776.57,2598.03 ; R7.2@777.56,2599.02 R10.2@777.56,2671.85
NetQ3_1: Q3.1 R8.2 R11.2 | length 164.4
  Top Layer w18.9: Q3.1@685.04,2398.03 R8.2@776.57,2398.03 ; R8.2@777.56,2399.02 R11.2@777.56,2471.85
NetQ4_1: Q4.1 R12.2 R14.2 | length 167.2
  Top Layer w7.87: R12.2@776.57,2200 R12.2@778.54,2198.03
  Top Layer w18.9: Q4.1@685.04,2198.03 R12.2@776.57,2198.03 ; R12.2@777.56,2199.02 R14.2@777.56,2271.85
NetQ5_1: Q5.1 R13.2 R15.2 | length 164.4
  Top Layer w18.9: Q5.1@685.04,1998.03 R13.2@776.57,1998.03 ; R13.2@777.56,1999.02 R15.2@777.56,2071.85
NetQ6_1: Q6.1 R22.2 R24.2 | length 156.5
  Top Layer w18.9: R24.2@2269.09,1182.09 R22.2@2269.09,1259.84 ; R24.2@2270.08,1181.1 2270.08,1105.15 Q6.1@2272.05,1103.18
NetQ7_1: Q7.1 R27.2 | length 125.6
  Top Layer w11.02: R27.2@4842.52,2229.92 Q7.1@4968.11,2229.92
NetQ7_2: Q7.2 Q8.3 | length 82.3
  Top Layer w11.02: Q8.3@4885.83,2129.92 Q7.2@4968.11,2129.92
NetQ8_1: Q8.1 R28.2 R29.2 | length 143.7
  Top Layer w11.02: R28.2@4744.09,2248.03 R29.2@4744.09,2167.32 Q8.1@4807.09,2167.32
NetQ9_1: Q9.1 R30.2 R34.2 | length 167.3
  Top Layer w18.9: R34.2@4216.54,826.77 R30.2@4216.54,903.54 Q9.1@4307.09,903.54
NetQ10_1: Q10.1 R32.2 | length 125.6
  Top Layer w11.02: R32.2@4842.52,1844.09 Q10.1@4968.11,1844.09
NetQ10_2: Q10.2 Q11.3 | length 82.3
  Top Layer w11.02: Q11.3@4885.83,1744.09 Q10.2@4968.11,1744.09
NetQ11_1: Q11.1 R31.2 R33.2 | length 139.8
  Top Layer w11.02: R33.2@4744.09,1858.27 R31.2@4744.09,1781.5 Q11.1@4807.09,1781.5
NetQ12_1: Q12.1 R35.2 R36.2 | length 198.8
  Bottom Layer w11.02: R35.2@4330.71,2342.52 R36.2@4330.71,2421.26 Q12.1@4330.71,2541.34
NetR3_1: R3.1 U4.7 | length 298.7
  Top Layer w11.02: U4.7@1403.54,1681.1 1403.54,1899.37 1421.26,1917.09 R3.1@1421.26,1972.44
NetR42_1: R42.1 U1.1 | length 106.3
  Top Layer w18.9: R42.1@1350.39,2992.21 U1.1@1456.69,2992.21
OTW: U4.2 U5.6 | length 1295.5
  Top Layer w11.02: U4.2@1531.5,1681.1 1531.5,1748.9 1603.46,1820.87 U5.6@2729.37,1820.87
PEC12R_SW: ENC1.1 R20.2 U5.13 | length 1514.7
  Top Layer w11.02: U5.13@2729.37,1683.07 2770.43,1683.06 2795.94,1657.55 2795.94,1611.17 2696.24,1511.48 2696.24,1186.4 2667.32,1157.48 2667.32,857.77 2844.28,680.82 v2(2844.28,680.4) ; v2(3046.17,713.66) R20.2@3051.18,713.66 ENC1.1@3051.18,826.77
  Bottom Layer w11.02: v2(2844.28,680.4) 2844.49,680.61 3013.12,680.61 v2(3046.17,713.66)
PGEC: P5.5 U5.17 | length 1126.2
  Top Layer w11.02: U5.17@2805.12,1548.26 2805.12,1443.66 2730.18,1368.72 2730.18,1132.55 2823.83,1038.9 3248.07,1038.9 3288.98,997.99 P5.5@3288.98,933.07
PGED: P5.4 U5.18 | length 1206
  Top Layer w11.02: U5.18@2824.8,1548.26 2824.8,1439.35 2747.15,1361.7 2747.15,1139.58 2830.86,1055.87 3330.71,1055.87 3388.98,997.6 P5.4@3388.98,933.07
PVDD: C19.1 C20.1 C21.1 C22.1 C23.1 J1.2 SB1.1 SB2.1 TP1.1 U4.21 U4.26 U4.29 U4.34 | length 2770.1
  Top Layer w18.9: C23.1@1173.23,990.16 U4.21@1173.23,1160.63 ; C22.1@1301.18,990.16 U4.26@1301.18,1160.63 ; C21.1@1377.95,990.16 U4.29@1377.95,1160.63 ; C20.1@1505.91,990.16 U4.34@1505.91,1160.63 ; TP1.1@4708.66,3405.51 4846.42,3405.51 4921.26,3330.67 SB2.1@4921.26,3222.05
  Top Layer w39.37: C23.1@1173.23,990.16 v2(1173.23,933.07) 1173.23,874.02 v2(1181.1,866.14) ; v2(1301.18,866.14) v2(1301.18,933.07) C22.1@1301.18,990.16 ; v2(1377.95,866.14) v2(1377.95,933.07) C21.1@1377.95,990.16 ; v2(1496.06,866.14) 1505.91,875.98 v2(1505.91,933.07) C20.1@1505.91,990.16
  Top Layer w78.74: SB1.1@4921.26,3031.5 SB2.1@4921.26,3222.05 4927.56,3228.35 J1.2@5137.8,3228.35 5177.17,3188.98 v1(5177.17,3163) 5177.17,3110.24 v1(5177.17,3051.21) v1@5177.17,2985.79
  Bottom Layer w78.74: 1116.1,801.14 v2(1181.1,866.14) v2(1301.18,866.14) v2(1496.06,866.14) 1546.46,916.54 ; 5137.8,3142.51 J1.2@5137.8,3228.35
  other v1: 5177.17,2995.31 5177.17,3107.1
  other v2: 1043.22,472.44 1116.1,472.44 1188.99,472.44 1179.19,826.77 1301.18,826.77 1377.95,826.77 1496.06,826.77
PWM_A_CMD: TP13.1 U4.4 U5.2 | length 1431.3
  Top Layer w11.02: TP13.1@2244.09,1889.76 v2(2352.3,1889.76) ; v2(2460.63,1917.09) 2478.11,1899.61 U5.2@2729.37,1899.61
  Top Layer w18.9: U4.4@1480.31,1681.1 1480.31,1812.99 1557.09,1889.76 TP13.1@2244.09,1889.76
  Bottom Layer w11.02: v2(2352.3,1889.76) 2379.62,1917.09 v2(2460.63,1917.09)
PWM_B_CMD: TP14.1 U4.6 U5.3 | length 1556.3
  Top Layer w11.02: TP14.1@2047.24,1968.5 2353.54,1968.5 2442.13,1879.92 U5.3@2729.37,1879.92
  Top Layer w18.9: U4.6@1429.13,1681.1 1429.13,1852.36 1545.28,1968.5 TP14.1@2047.24,1968.5
PWM_BL: R22.1 U5.60 | length 1289
  Top Layer w11.02: v2(2122.05,1456.69) 2122.05,1303.15 2165.35,1259.84 R22.1@2200.2,1259.84 ; v2(2793.43,1811.41) 2793.43,1813.29 2883.86,1903.71 U5.60@2883.86,1995.04
  Bottom Layer w11.02: v2(2122.05,1456.69) 2436.84,1456.69 2791.56,1811.41 v2(2793.43,1811.41)
PWM_BUZZER: R35.1 U5.64 | length 1921.1
  Top Layer w11.02: v2(2791.34,2066.93) 2791.34,2061.92 2805.12,2048.14 U5.64@2805.12,1995.04
  Bottom Layer w11.02: v2(2791.34,2066.93) 4330.71,2066.93 4399.61,2135.83 R35.1@4399.61,2342.52
PWM_C_CMD: TP15.1 U4.14 U5.62 | length 2027.3
  Top Layer w11.02: TP15.1@1850.39,2047.24 2701.91,2047.24 2811.2,1937.95 2835.59,1937.95 2844.49,1946.85 U5.62@2844.49,1995.04
  Top Layer w18.9: U4.14@1224.41,1681.1 1224.41,1951.57 1320.08,2047.24 TP15.1@1850.39,2047.24
PWM_D_CMD: TP16.1 U4.16 U5.63 | length 2124.8
  Top Layer w11.02: TP16.1@1653.54,2125.98 2791.34,2125.98 2824.8,2092.52 U5.63@2824.8,1995.04
  Top Layer w18.9: U4.16@1173.23,1681.1 1173.23,1984.25 1314.96,2125.98 TP16.1@1653.54,2125.98
PWM_DIM: U1.2 U5.50 | length 2408.5
  Top Layer w11.02: U1.2@1456.69,2954.81 1492.13,2954.81 1504.33,2967.02 1504.33,2978.7 v2(1507.87,2982.24) ; U5.50@3080.71,1995.04 3080.71,2057.09 v2(3129.92,2106.3)
  Bottom Layer w11.02: v2(1507.87,2982.24) 1507.87,2602.29 1663.3,2446.86 2318.31,2446.86 2404.51,2360.66 2407.3,2360.66 2661.65,2106.3 v2(3129.92,2106.3)
QEIA: P2.7 TP17.1 U5.43 | length 3813.4
  Top Layer w11.02: P2.7@236.22,511.81 664.57,511.81 TP17.1@669.29,516.54 v2(854.33,516.54) ; v2(2892.47,1709.69) 3003.65,1820.87 U5.43@3176.15,1820.87
  Bottom Layer w11.02: v2(854.33,516.54) 854.33,1081.93 1147.92,1375.51 2558.29,1375.51 v2(2892.47,1709.69)
QEIB: P2.6 TP18.1 U5.44 | length 3612.5
  Top Layer w11.02: P2.6@236.22,711.81 664.57,711.81 TP18.1@669.29,716.54 v2(814.96,716.54) ; v2(2865.46,1732.69) 2973.33,1840.55 U5.44@3176.15,1840.55
  Bottom Layer w11.02: v2(814.96,716.54) 814.96,1066.55 1140.89,1392.48 2525.26,1392.48 v2(2865.46,1732.69)
QUEII: P2.5 TP19.1 U5.45 | length 3412.4
  Top Layer w11.02: P2.5@236.22,911.81 664.57,911.81 TP19.1@669.29,916.54 v2(775.59,916.54) ; v2(2840.66,1758.05) 2840.66,1759.24 2941.65,1860.24 U5.45@3176.15,1860.24
  Bottom Layer w11.02: v2(775.59,916.54) 775.59,1051.18 1133.86,1409.45 2490.86,1409.45 2839.46,1758.05 v2(2840.66,1758.05)
RESET_AB_CMD: R4.2 U4.5 U5.4 | length 1649.6
  Top Layer w11.02: v2(1452.82,1614.17) 1453.77,1615.13 1453.77,1680.15 U4.5@1454.72,1681.1 1454.72,1828.74 1543.07,1917.09 2126.79,1917.09 2156.56,1946.85 2345.2,1946.85 2431.82,1860.24 U5.4@2729.37,1860.24
  Bottom Layer w11.02: R4.2@1452.82,1539.37 v2(1452.82,1614.17)
RESET_CD_CMD: R5.2 U4.15 U5.5 | length 1681.3
  Top Layer w11.02: U4.15@1198.82,1681.1 1198.82,1631.15 1214.9,1615.07 1235.33,1615.07 v2(1236.22,1614.17) ; v2(1535.43,1811.02) 1564.96,1840.55 U5.5@2729.37,1840.55
  Bottom Layer w11.02: v2(1236.22,1614.17) R5.2@1291.34,1614.17 1338.58,1614.17 v2(1535.43,1811.02)
RESET_LCD_CMD: DS1.44 U5.11 | length 1604.4
  Top Layer w11.02: U5.11@2729.37,1722.44 2767.99,1722.45 2992.38,1946.85 3167.32,1946.85 v2(3346.46,2125.98)
  Bottom Layer w11.02: v2(3346.46,2125.98) 3607.09,2125.98 DS1.44@4002.76,2521.65
SIGN_LED_CMD: D3.2 U5.1 | length 97.6
  Top Layer w11.02: D3.2@2676.81,1972.44 2676.81,1933.07 2690.59,1919.29 U5.1@2729.37,1919.29
SPI_MISO: DS1.38 U5.51 | length 668.2
  Top Layer w11.02: U5.51@3061.02,1995.04 3061.02,2130.83 3402.76,2472.56 DS1.38@3402.76,2521.65
SPI_MOSI: DS1.39 U5.52 | length 855.8
  Top Layer w11.02: U5.52@3041.34,1995.04 3041.34,2135.14 3358.27,2452.07 3358.27,2543.31 3385.83,2570.87 3453.54,2570.87 DS1.39@3502.76,2521.65
SPI_SCK: DS1.40 U5.46 | length 926
  Top Layer w11.02: U5.46@3176.15,1879.92 3359.82,1879.92 3602.76,2122.85 DS1.40@3602.76,2521.65
SWITCH: R23.2 S1.1 U5.12 | length 1683.9
  Top Layer w11.02: S1.1@2122.05,551.18 R23.2@2440.94,551.18 2447.83,551.18 2500,551.18 2588.58,639.76 2588.58,1663.39 2627.95,1702.76 U5.12@2729.37,1702.76
TRIGGER_CMD: R28.1 U5.22 | length 2210.8
  Top Layer w11.02: U5.22@2903.54,1548.26 2903.54,1473.82 2913.78,1463.58 2913.78,1440.55 v2(2917.32,1437.01) ; v2(4126.63,2012.6) 4362.06,2248.03 R28.1@4675.2,2248.03
  Bottom Layer w11.02: v2(2917.32,1437.01) 2986.22,1505.91 3396.88,1505.91 3903.57,2012.6 v2(4126.63,2012.6)
pads on no net: J2.3 J2.4 J2.5 J3.MP1 J3.MP2 J4.MP1 J4.MP2 J5. P5.6 Q7.3 Q7.6 Q10.3 Q10.6 S1.16 U5.34

## Polygon pours and split planes (outlines as drawn)
GND on Bottom Layer "GND_L02_P013" (solid, remove dead copper, pour order 13): 1968.5,704.72 1968.5,1539.37 0,1539.37 0,802.2 0,0 6062.99,0 6062.99,3543.31 4960.63,3543.31 4960.63,3307.09 5236.22,3307.09 5236.22,1413.39 4527.56,704.72
GND on Bottom Layer "GND_L02_P008" (solid, remove dead copper, pour order 8): 0,3543.31 0,1652.06 2088.94,1652.06 2088.94,905.51 4544.65,905.51 5118.11,1478.97 5118.11,3543.31
PVDD on Bottom Layer "PVDD_L02_P001" (solid, remove dead copper, pour order 1): 974.41,713.66 974.41,437.01 1342.52,437.01 1716.54,713.66 4532.56,713.66 5229.43,1410.53 5237,3306.31 4842.52,3306.31 4842.52,2949.61 5039.37,2949.61 5039.37,1552.6 4471.02,984.25 974.41,984.25
GND on Top Layer "GND_L01_P014" (solid, remove dead copper, pour order 14): 0,3543.31 0,1652.06 2088.94,1652.06 2088.94,905.51 4544.65,905.51 5118.11,1478.97 5118.11,3543.31
GND on Top Layer "GND_L01_P003" (solid, remove dead copper, pour order 3): 1966.5,669.29 1966.5,1535.43 0,1535.43 0,828.74 0,0 6062.99,0 6062.99,3543.31 4960.63,3543.31 4960.63,3307.09 5236.22,3307.09 5236.22,1377.95 4527.56,669.29

## Keep-outs
Top Layer:
  region: 3316.79,714.11 3316.79,0 2401.57,0 2401.57,714.11
  region: 2480.31,539.37 2480.31,440.94 2401.57,440.94 2401.57,539.37
  region: 3238.19,236.22 3238.19,137.8 3159.45,137.8 3159.45,236.22
  region: 2746.06,236.22 2746.06,137.8 2667.32,137.8 2667.32,236.22
  region: 4255.91,814.96 4255.91,716.54 4177.17,716.54 4177.17,814.96
  region: 4346.46,887.8 4346.46,789.37 4267.72,789.37 4267.72,887.8
Keep-Out Layer:
  region: 196.85,39.37 cw(c196.85,196.85) 39.37,196.85 cw(c196.85,196.85) 196.85,354.33 cw(c196.85,196.85) 354.33,196.85 cw(c196.85,196.85)
  region: 3740.16,39.37 cw(c3740.16,196.85) 3582.68,196.85 cw(c3740.16,196.85) 3740.16,354.33 cw(c3740.16,196.85) 3897.64,196.85 cw(c3740.16,196.85)
  region: 5708.66,39.37 cw(c5708.66,196.85) 5551.18,196.85 cw(c5708.66,196.85) 5708.66,354.33 cw(c5708.66,196.85) 5866.14,196.85 cw(c5708.66,196.85)
  region: 5708.66,3188.98 cw(c5708.66,3346.46) 5551.18,3346.46 cw(c5708.66,3346.46) 5708.66,3503.94 cw(c5708.66,3346.46) 5866.14,3346.46 cw(c5708.66,3346.46)
  region: 196.85,3188.98 cw(c196.85,3346.46) 39.37,3346.46 cw(c196.85,3346.46) 196.85,3503.94 cw(c196.85,3346.46) 354.33,3346.46 cw(c196.85,3346.46)
  region: 2992.13,314.96 2992.13,216.54 2913.39,216.54 2913.39,314.96
  region: 3740.16,982.28 3740.16,883.86 3129.92,883.86 3129.92,982.28
  region: 3090.55,688.98 3090.55,590.55 3011.81,590.55 3011.81,688.98
  region: 3244.62,693.59 3244.62,433.07 2657.48,433.07 2657.48,693.59

## Other copper
Top Layer:
  region net LED-: 1060.04,2937.09 1377.95,2937.09 1377.95,2885.48 1060.04,2885.48
  region net LED-: 570.87,2965.35 728.35,2965.35 728.35,2859.06 645.67,2859.06 645.67,2902.36 570.87,2902.36
  region net LED-: 570.87,2765.35 728.35,2765.35 728.35,2659.06 645.67,2659.06 645.67,2702.36 570.87,2702.36
  region net LED-: 570.87,2565.35 728.35,2565.35 728.35,2459.06 645.67,2459.06 645.67,2502.36 570.87,2502.36
  region net LED-: 570.87,2365.35 728.35,2365.35 728.35,2259.06 645.67,2259.06 645.67,2302.36 570.87,2302.36
  region net LED-: 570.87,2165.35 728.35,2165.35 728.35,2059.06 645.67,2059.06 645.67,2102.36 570.87,2102.36
  region net GND: 1978.35,295.28 1978.35,177.17 1722.44,177.17 1722.44,295.28
  region net NetD1_1: 5393.7,2942.91 5393.7,2805.12 5620.08,2805.12 5620.08,2942.91
  region net PVDD: 1397.44,905.51 1397.44,787.4 1279.74,787.4 1279.74,905.51
  region net PVDD: 1535.43,905.51 1535.43,787.4 1464.3,787.4 1464.3,905.51
  region net PVDD: 1136.16,905.51 1214.9,905.51 1214.9,787.4 1136.16,787.4
  region net NetC3_2: 1539.37,2968.5 1996.06,2968.5 1996.06,2901.57 1653.54,2901.57 1614.17,2940.94 1539.37,2940.94
  region net NetC3_1: 1539.37,3023.62 1539.37,2976.09 1740.16,2976.09 1740.16,3023.62
  region net LED+: 1805.39,3177.17 1476.38,3177.17 1476.38,3077.87 1479.36,3074.89 1805.39,3074.89
  region net LED+: 1996.06,3115.91 1996.06,3177.17 1582.68,3177.17 1582.68,3115.91
  region net +12V: 1539.37,2931.77 1492.13,2884.52 1492.13,2622.05 1649.61,2622.05 1649.61,2893.7
  region net GND: 1385.83,2933.07 1515.14,2933.07 1476.38,2894.31 1476.38,2622.05 1385.83,2622.05
  region net +12V: 1539.37,2931.77 1539.37,2874.02 1649.61,2874.02 1649.61,2893.7 1611.54,2931.77
Bottom Layer:
  region net NetD1_2: 5230.03,3306.31 5230.81,3307.09 5334.65,3307.09 5334.65,2952.37 5230.03,2952.37
  region net LED-: 570.87,2972.44 728.35,2972.44 1377.95,2972.44 1377.95,2885.83 728.35,2885.83 728.35,1929.13 724.41,1933.07 570.87,1933.07

## Silkscreen, mask and mechanical layers (free items; w line width, h text height)
Top Overlay:
  drawing of 10 lines, arcs and shapes, not listed
  text "+12V" at 4830.71,3301.61 h39.37
  text "+24V" at 4818.35,2913.39 h39.37
  text "Do not solder both +12V and +24V" at 4657.48,2566.94 h39.37
  text "2309_AutomatisationPriseImageRTI" at 4027.56,303.14 h47.24
  text "Version 1.0.0" at 4027.56,223.43 h47.24
  text "Meven Ricchieri" at 4027.56,149.61 h47.24
  text "Lausanne, aout 2023" at 4027.56,83.66 h47.24
Bottom Overlay:
  drawing of 4 lines, arcs and shapes, not listed
Top Dimensions:
  lines w10: 2913.39,1771.65 2992.13,1771.65 ; 2952.76,1732.28 2952.76,1811.02
Outline:
  lines w10: 5905.51,1811.02 5905.51,1830.71 5984.25,1909.45 6062.99,1909.45 6062.99,1929.13 6062.99,2992.13 6062.99,3031.5 6062.99,3070.87 5984.25,3070.87 5944.88,3110.24 5905.51,3149.61 5905.51,3188.98 5905.51,3346.46 ccw(c5708.66,3346.46) 5708.66,3543.31 196.85,3543.31 ccw(c196.85,3346.46) 0,3346.46 0,196.85 ccw(c196.85,196.85) 196.85,0 5708.66,0 ccw(c5708.66,196.85) 5905.51,196.85 5905.51,1771.65 5905.51,1811.02 ; 5905.51,1811.02 5905.51,1811.02 ; 4911.42,711.61 ccw(c4990.16,711.61) 4990.16,632.87 5305.12,632.87 ccw(c5305.12,711.61) 5383.86,711.61 5383.86,947.83 ccw(c5305.12,947.83) 5305.12,1026.57 4990.16,1026.57 ccw(c4990.16,947.83) 4911.42,947.83 4911.42,711.61 ; 6062.99,1889.76 6062.99,1889.76

## Dimensions
196.85,196.85 to 3740.16,196.85 on Top Dimensions
2122.05,551.18 to 0,196.85 on Top Dimensions
0,196.85 to 2952.76,551.18 on Top Dimensions
3740.16,196.85 to 5708.66,196.85 on Top Dimensions
5905.51,3346.46 to 6062.99,3070.87 on Top Dimensions
196.85,0 to 196.85,3543.31 on Top Dimensions
196.85,3346.46 to 196.85,196.85 on Top Dimensions
0,3346.46 to 5905.51,3346.46 on Top Dimensions
5708.66,3346.46 to 196.85,3346.46 on Top Dimensions
6023.62,2440.94 to 5826.77,2007.87 on Top Dimensions
5944.88,2874.02 to 6023.62,2440.94 on Top Dimensions
5708.66,3346.46 to 5944.88,2874.02 on Top Dimensions

## Text inside footprints (layer, text, board x,y; h text height)
C19: Top Overlay "+" at 976.32,492.13 h39.37 r180
P3: Top Overlay "5" at 4303.15,1559.84 h39.37 r90; Top Overlay "1" at 4303.15,1170.08 h39.37 r90
P5: Top Overlay "6" at 3203.94,866.14 h40 r180; Top Overlay "1" at 3693.7,866.14 h40 r180
U5: Top 3D Body "*" at 2758.26,1904.13 h50